# Altium PCB Motherboard_PCB_Trimmed.PcbDoc (part 4 of 5) (continued)
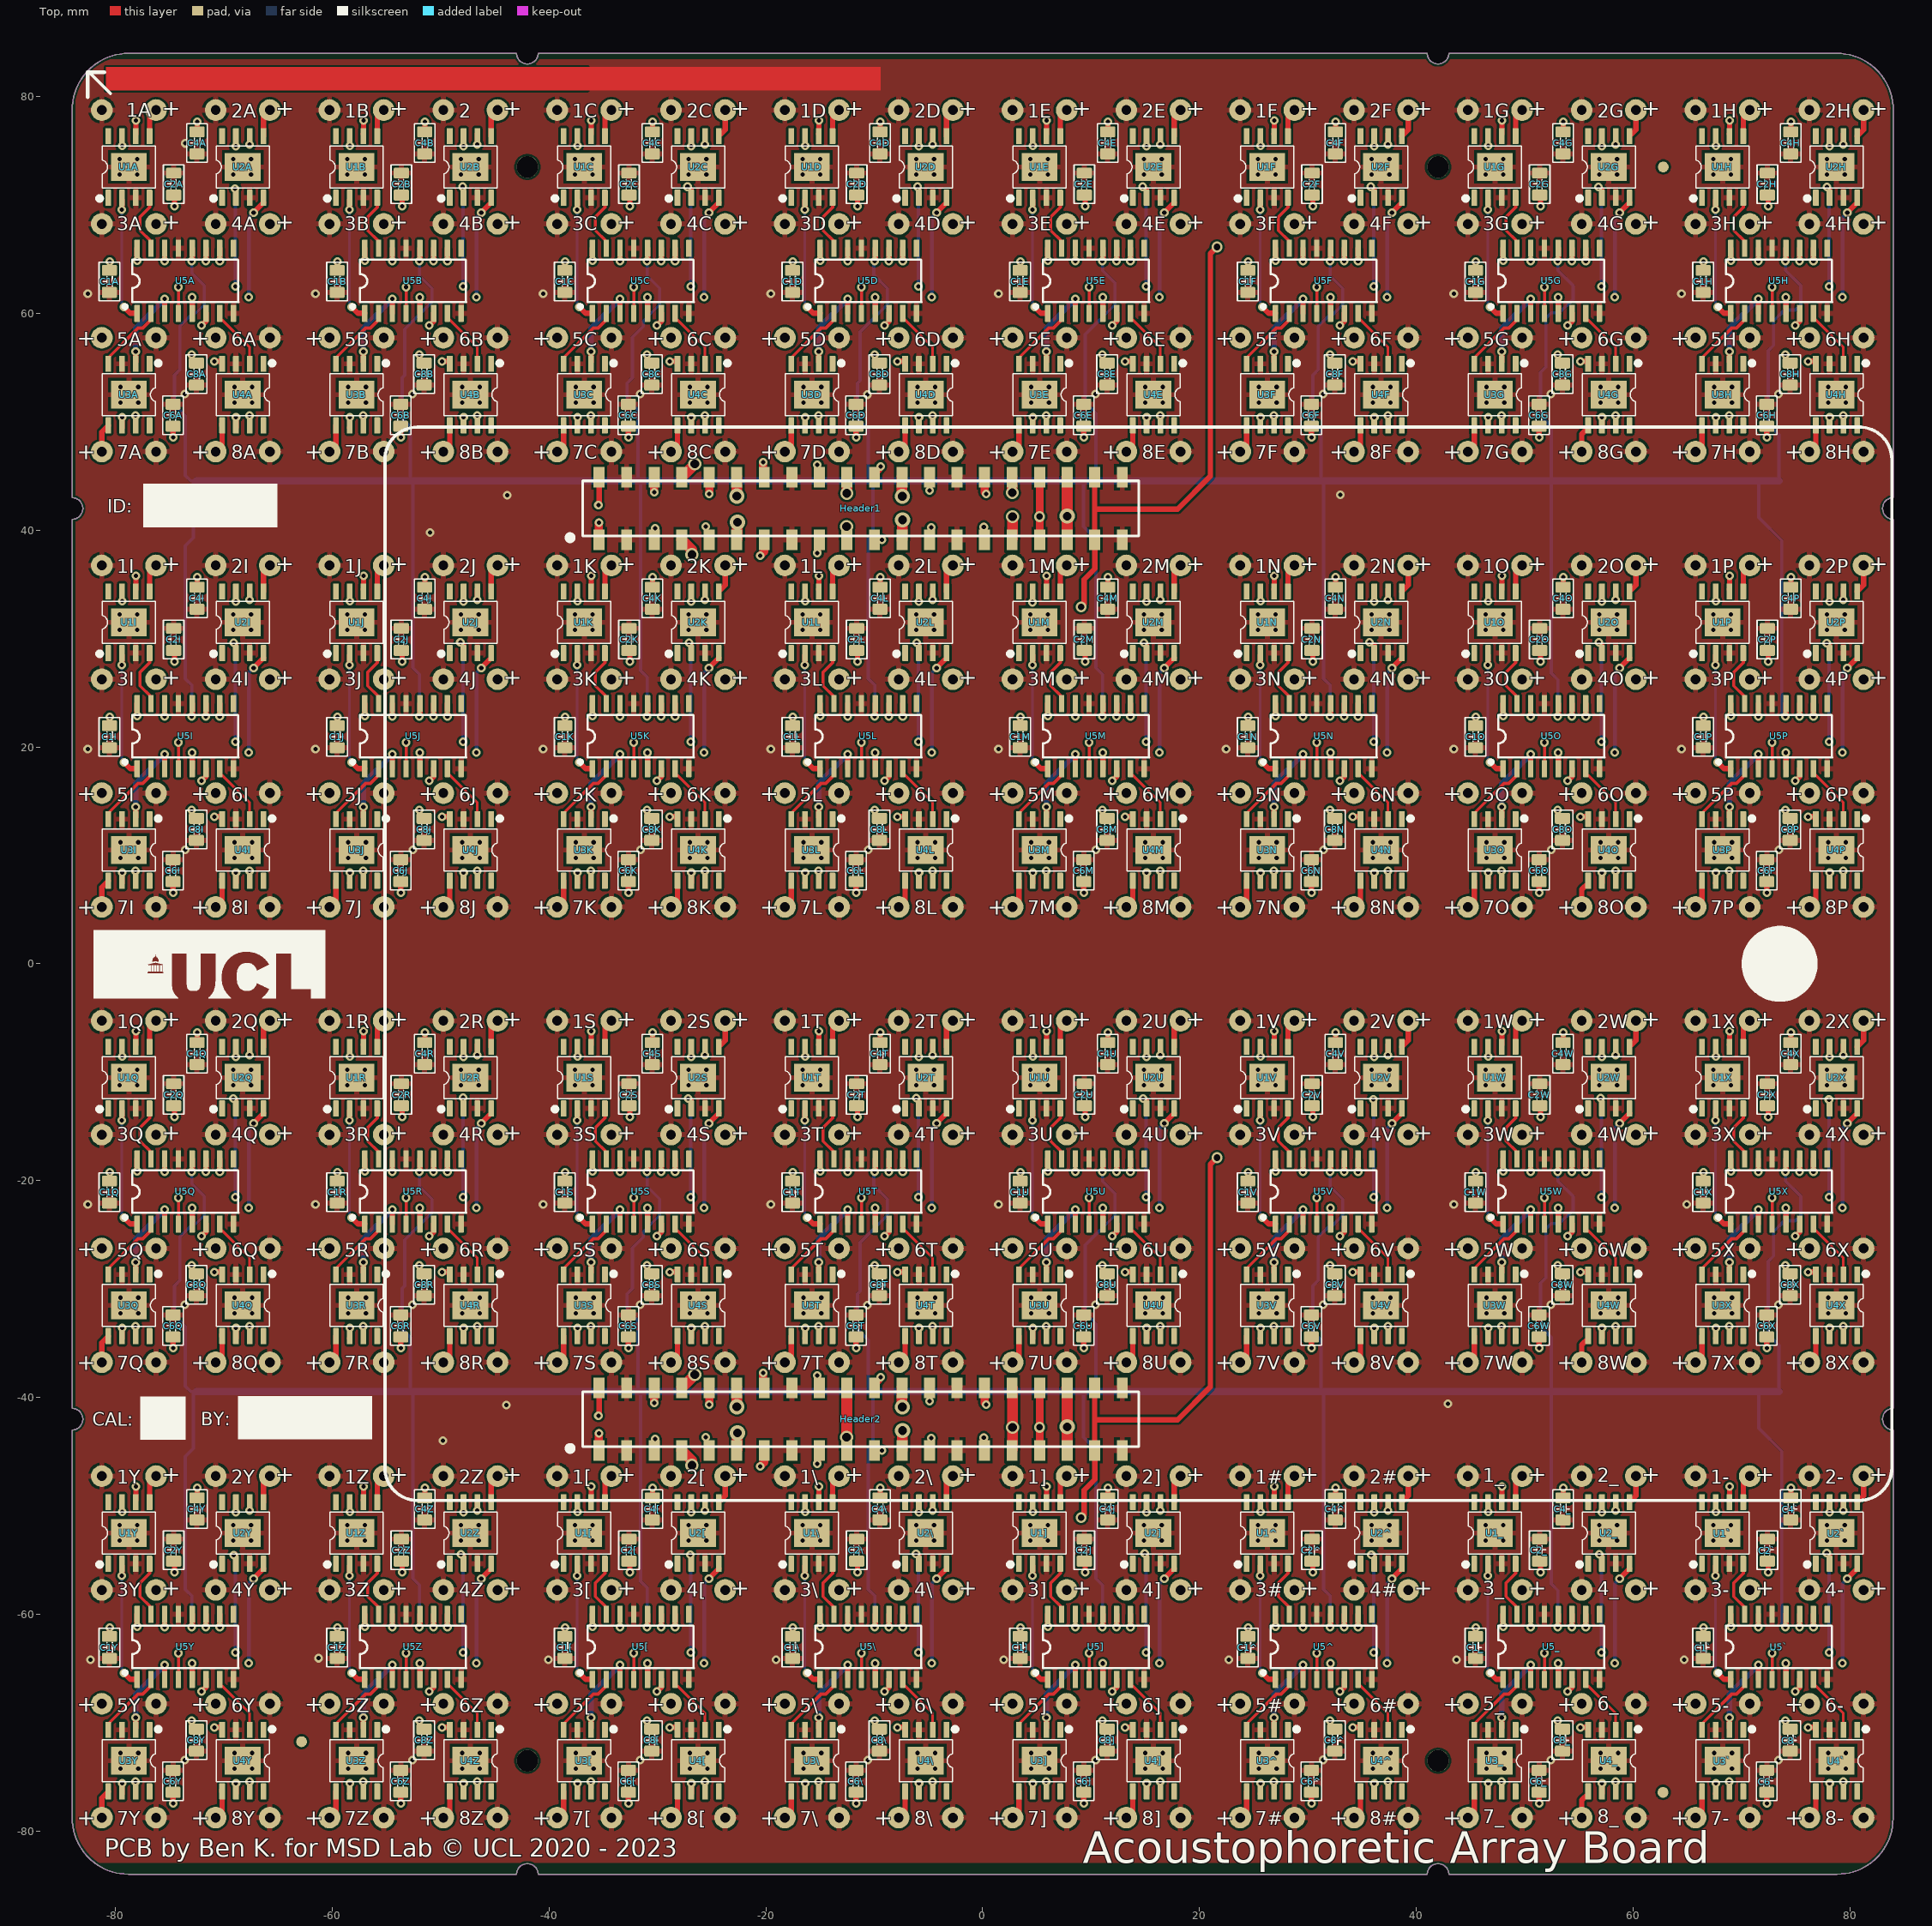
[diagram p0: Top view]
## Nets (pads, with @x,y where several pads share a name; then routed paths per layer and width w, separated by ;. In a path a pad name is that pad's centre, name@x,y a point inside that pad or via, vN(x,y) a via of type N, cw(c..) or ccw(c..) an arc to the next point about the centre after c; other vN are vias at no path point) (continued)
OUTA_3X: 5X.+ U3X.7 | length 9.4
  Top w0.3: v1(68.859,-33.438) 68.885,-33.464 U3X.7@68.885,-34.345
  Internal w0.3: 5X.+@65.75,-26.25 68.308,-28.808 68.308,-32.887 v1(68.859,-33.438)
OUTA_3Y: 5Y.+ U3Y.7 | length 9.4
  Top w0.3: v1(-78.141,-75.438) -78.115,-75.464 U3Y.7@-78.115,-76.345
  Internal w0.3: 5Y.+@-81.25,-68.25 -78.692,-70.808 -78.692,-74.887 v1(-78.141,-75.438)
OUTA_3Z: 5Z.+ U3Z.7 | length 9.4
  Top w0.3: v1(-57.141,-75.438) -57.115,-75.464 U3Z.7@-57.115,-76.345
  Internal w0.3: 5Z.+@-60.25,-68.25 -57.692,-70.808 -57.692,-74.887 v1(-57.141,-75.438)
OUTA_4[: 6[.+ U4[.7 | length 9.4
  Top w0.3: v1(-25.625,-75.438) -25.625,-76.335 U4[.7@-25.615,-76.345
  Internal w0.3: 6[.+@-28.75,-68.25 -26.26,-70.74 -26.26,-74.803 v1(-25.625,-75.438)
OUTA_4\: 6\.+ U4\.7 | length 9.4
  Top w0.3: v1(-4.625,-75.438) -4.625,-76.335 U4\.7@-4.615,-76.345
  Internal w0.3: 6\.+@-7.75,-68.25 -5.26,-70.74 -5.26,-74.803 v1(-4.625,-75.438)
OUTA_4]: 6].+ U4].7 | length 9.4
  Top w0.3: v1(16.375,-75.438) 16.375,-76.335 U4].7@16.385,-76.345
  Internal w0.3: 6].+@13.25,-68.25 15.74,-70.74 15.74,-74.803 v1(16.375,-75.438)
OUTA_4^: 6#.+ U4^.7 | length 9.4
  Top w0.3: v1(37.375,-75.438) 37.375,-76.335 U4^.7@37.385,-76.345
  Internal w0.3: 6#.+@34.25,-68.25 36.74,-70.74 36.74,-74.803 v1(37.375,-75.438)
OUTA_4_: 6_.+ U4_.7 | length 9.4
  Top w0.3: v1(58.375,-75.438) 58.375,-76.335 U4_.7@58.385,-76.345
  Internal w0.3: 6_.+@55.25,-68.25 57.74,-70.74 57.74,-74.803 v1(58.375,-75.438)
OUTA_4`: 6-.+ U4`.7 | length 9.4
  Top w0.3: v1(79.375,-75.438) 79.375,-76.335 U4`.7@79.385,-76.345
  Internal w0.3: 6-.+@76.25,-68.25 78.74,-70.74 78.74,-74.803 v1(79.375,-75.438)
OUTA_4A: 6A.+ U4A.7 | length 9.4
  Top w0.3: v1(-67.625,50.562) -67.625,49.665 U4A.7@-67.615,49.655
  Internal w0.3: 6A.+@-70.75,57.75 -68.26,55.26 -68.26,51.197 v1(-67.625,50.562)
OUTA_4B: 6B.+ U4B.7 | length 9.4
  Top w0.3: v1(-46.625,50.562) -46.625,49.665 U4B.7@-46.615,49.655
  Internal w0.3: 6B.+@-49.75,57.75 -47.26,55.26 -47.26,51.197 v1(-46.625,50.562)
OUTA_4C: 6C.+ U4C.7 | length 9.4
  Top w0.3: v1(-25.625,50.562) -25.625,49.665 U4C.7@-25.615,49.655
  Internal w0.3: 6C.+@-28.75,57.75 -26.26,55.26 -26.26,51.197 v1(-25.625,50.562)
OUTA_4D: 6D.+ U4D.7 | length 9.4
  Top w0.3: v1(-4.625,50.562) -4.625,49.665 U4D.7@-4.615,49.655
  Internal w0.3: 6D.+@-7.75,57.75 -5.26,55.26 -5.26,51.197 v1(-4.625,50.562)
OUTA_4E: 6E.+ U4E.7 | length 9.4
  Top w0.3: v1(16.375,50.562) 16.375,49.665 U4E.7@16.385,49.655
  Internal w0.3: 6E.+@13.25,57.75 15.74,55.26 15.74,51.197 v1(16.375,50.562)
OUTA_4F: 6F.+ U4F.7 | length 9.4
  Top w0.3: v1(37.375,50.562) 37.375,49.665 U4F.7@37.385,49.655
  Internal w0.3: 6F.+@34.25,57.75 36.74,55.26 36.74,51.197 v1(37.375,50.562)
OUTA_4G: 6G.+ U4G.7 | length 9.4
  Top w0.3: v1(58.375,50.562) 58.375,49.665 U4G.7@58.385,49.655
  Internal w0.3: 6G.+@55.25,57.75 57.74,55.26 57.74,51.197 v1(58.375,50.562)
OUTA_4H: 6H.+ U4H.7 | length 9.4
  Top w0.3: v1(79.375,50.562) 79.375,49.665 U4H.7@79.385,49.655
  Internal w0.3: 6H.+@76.25,57.75 78.74,55.26 78.74,51.197 v1(79.375,50.562)
OUTA_4I: 6I.+ U4I.7 | length 9.4
  Top w0.3: v1(-67.625,8.562) -67.625,7.665 U4I.7@-67.615,7.655
  Internal w0.3: 6I.+@-70.75,15.75 -68.26,13.26 -68.26,9.197 v1(-67.625,8.562)
OUTA_4J: 6J.+ U4J.7 | length 9.4
  Top w0.3: v1(-46.625,8.562) -46.625,7.665 U4J.7@-46.615,7.655
  Internal w0.3: 6J.+@-49.75,15.75 -47.26,13.26 -47.26,9.197 v1(-46.625,8.562)
OUTA_4K: 6K.+ U4K.7 | length 9.4
  Top w0.3: v1(-25.625,8.562) -25.625,7.665 U4K.7@-25.615,7.655
  Internal w0.3: 6K.+@-28.75,15.75 -26.26,13.26 -26.26,9.197 v1(-25.625,8.562)
OUTA_4L: 6L.+ U4L.7 | length 9.4
  Top w0.3: v1(-4.625,8.562) -4.625,7.665 U4L.7@-4.615,7.655
  Internal w0.3: 6L.+@-7.75,15.75 -5.26,13.26 -5.26,9.197 v1(-4.625,8.562)
OUTA_4M: 6M.+ U4M.7 | length 9.4
  Top w0.3: v1(16.375,8.562) 16.375,7.665 U4M.7@16.385,7.655
  Internal w0.3: 6M.+@13.25,15.75 15.74,13.26 15.74,9.197 v1(16.375,8.562)
OUTA_4N: 6N.+ U4N.7 | length 9.4
  Top w0.3: v1(37.375,8.562) 37.375,7.665 U4N.7@37.385,7.655
  Internal w0.3: 6N.+@34.25,15.75 36.74,13.26 36.74,9.197 v1(37.375,8.562)
OUTA_4O: 6O.+ U4O.7 | length 9.4
  Top w0.3: v1(58.375,8.562) 58.375,7.665 U4O.7@58.385,7.655
  Internal w0.3: 6O.+@55.25,15.75 57.74,13.26 57.74,9.197 v1(58.375,8.562)
OUTA_4P: 6P.+ U4P.7 | length 9.4
  Top w0.3: v1(79.375,8.562) 79.375,7.665 U4P.7@79.385,7.655
  Internal w0.3: 6P.+@76.25,15.75 78.74,13.26 78.74,9.197 v1(79.375,8.562)
OUTA_4Q: 6Q.+ U4Q.7 | length 9.4
  Top w0.3: v1(-67.625,-33.438) -67.625,-34.335 U4Q.7@-67.615,-34.345
  Internal w0.3: 6Q.+@-70.75,-26.25 -68.26,-28.74 -68.26,-32.803 v1(-67.625,-33.438)
OUTA_4R: 6R.+ U4R.7 | length 9.4
  Top w0.3: v1(-46.625,-33.438) -46.625,-34.335 U4R.7@-46.615,-34.345
  Internal w0.3: 6R.+@-49.75,-26.25 -47.26,-28.74 -47.26,-32.803 v1(-46.625,-33.438)
OUTA_4S: 6S.+ U4S.7 | length 9.4
  Top w0.3: v1(-25.625,-33.438) -25.625,-34.335 U4S.7@-25.615,-34.345
  Internal w0.3: 6S.+@-28.75,-26.25 -26.26,-28.74 -26.26,-32.803 v1(-25.625,-33.438)
OUTA_4T: 6T.+ U4T.7 | length 9.4
  Top w0.3: v1(-4.625,-33.438) -4.625,-34.335 U4T.7@-4.615,-34.345
  Internal w0.3: 6T.+@-7.75,-26.25 -5.26,-28.74 -5.26,-32.803 v1(-4.625,-33.438)
OUTA_4U: 6U.+ U4U.7 | length 9.4
  Top w0.3: v1(16.375,-33.438) 16.375,-34.335 U4U.7@16.385,-34.345
  Internal w0.3: 6U.+@13.25,-26.25 15.74,-28.74 15.74,-32.803 v1(16.375,-33.438)
OUTA_4V: 6V.+ U4V.7 | length 9.4
  Top w0.3: v1(37.375,-33.438) 37.375,-34.335 U4V.7@37.385,-34.345
  Internal w0.3: 6V.+@34.25,-26.25 36.74,-28.74 36.74,-32.803 v1(37.375,-33.438)
OUTA_4W: 6W.+ U4W.7 | length 9.4
  Top w0.3: v1(58.375,-33.438) 58.375,-34.335 U4W.7@58.385,-34.345
  Internal w0.3: 6W.+@55.25,-26.25 57.74,-28.74 57.74,-32.803 v1(58.375,-33.438)
OUTA_4X: 6X.+ U4X.7 | length 9.4
  Top w0.3: v1(79.375,-33.438) 79.375,-34.335 U4X.7@79.385,-34.345
  Internal w0.3: 6X.+@76.25,-26.25 78.74,-28.74 78.74,-32.803 v1(79.375,-33.438)
OUTA_4Y: 6Y.+ U4Y.7 | length 9.4
  Top w0.3: v1(-67.625,-75.438) -67.625,-76.335 U4Y.7@-67.615,-76.345
  Internal w0.3: 6Y.+@-70.75,-68.25 -68.26,-70.74 -68.26,-74.803 v1(-67.625,-75.438)
OUTA_4Z: 6Z.+ U4Z.7 | length 9.4
  Top w0.3: v1(-46.625,-75.438) -46.625,-76.335 U4Z.7@-46.615,-76.345
  Internal w0.3: 6Z.+@-49.75,-68.25 -47.26,-70.74 -47.26,-74.803 v1(-46.625,-75.438)
OUTB_1[: 1[.+ U1[.5 | length 2.7
  Top w0.5: U1[.5@-34.845,-49.655 -34.845,-49.455 -34.845,-47.845 1[.+@-34.25,-47.25
OUTB_1\: 1\.+ U1\.5 | length 2.7
  Top w0.5: U1\.5@-13.845,-49.655 -13.845,-49.455 -13.845,-47.845 1\.+@-13.25,-47.25
OUTB_1]: 1].+ U1].5 | length 2.7
  Top w0.5: U1].5@7.155,-49.655 7.155,-49.455 7.155,-47.845 1].+@7.75,-47.25
OUTB_1^: 1#.+ U1^.5 | length 2.7
  Top w0.5: U1^.5@28.155,-49.655 28.155,-49.455 28.155,-47.845 1#.+@28.75,-47.25
OUTB_1_: 1_.+ U1_.5 | length 2.7
  Top w0.5: U1_.5@49.155,-49.655 49.155,-49.455 49.155,-47.845 1_.+@49.75,-47.25
OUTB_1`: 1-.+ U1`.5 | length 2.7
  Top w0.5: U1`.5@70.155,-49.655 70.155,-49.455 70.155,-47.845 1-.+@70.75,-47.25
OUTB_1A: 1A.+ U1A.5 | length 2.7
  Top w0.5: U1A.5@-76.845,76.345 -76.845,76.545 -76.845,78.155 1A.+@-76.25,78.75
OUTB_1B: 1B.+ U1B.5 | length 2.7
  Top w0.5: U1B.5@-55.845,76.345 -55.845,76.545 -55.845,78.155 1B.+@-55.25,78.75
OUTB_1C: 1C.+ U1C.5 | length 2.7
  Top w0.5: U1C.5@-34.845,76.345 -34.845,76.545 -34.845,78.155 1C.+@-34.25,78.75
OUTB_1D: 1D.+ U1D.5 | length 2.7
  Top w0.5: U1D.5@-13.845,76.345 -13.845,76.545 -13.845,78.155 1D.+@-13.25,78.75
OUTB_1E: 1E.+ U1E.5 | length 2.7
  Top w0.5: U1E.5@7.155,76.345 7.155,76.545 7.155,78.155 1E.+@7.75,78.75
OUTB_1F: 1F.+ U1F.5 | length 2.7
  Top w0.5: U1F.5@28.155,76.345 28.155,76.545 28.155,78.155 1F.+@28.75,78.75
OUTB_1G: 1G.+ U1G.5 | length 2.7
  Top w0.5: U1G.5@49.155,76.345 49.155,76.545 49.155,78.155 1G.+@49.75,78.75
OUTB_1H: 1H.+ U1H.5 | length 2.7
  Top w0.5: U1H.5@70.155,76.345 70.155,76.545 70.155,78.155 1H.+@70.75,78.75
OUTB_1I: 1I.+ U1I.5 | length 2.7
  Top w0.5: U1I.5@-76.845,34.345 -76.845,34.545 -76.845,36.155 1I.+@-76.25,36.75
OUTB_1J: 1J.+ U1J.5 | length 2.7
  Top w0.5: U1J.5@-55.845,34.345 -55.845,34.545 -55.845,36.155 1J.+@-55.25,36.75
OUTB_1K: 1K.+ U1K.5 | length 2.7
  Top w0.5: U1K.5@-34.845,34.345 -34.845,34.545 -34.845,36.155 1K.+@-34.25,36.75
OUTB_1L: 1L.+ U1L.5 | length 2.7
  Top w0.5: U1L.5@-13.845,34.345 -13.845,34.545 -13.845,36.155 1L.+@-13.25,36.75
OUTB_1M: 1M.+ U1M.5 | length 2.7
  Top w0.5: U1M.5@7.155,34.345 7.155,34.545 7.155,36.155 1M.+@7.75,36.75
OUTB_1N: 1N.+ U1N.5 | length 2.7
  Top w0.5: U1N.5@28.155,34.345 28.155,34.545 28.155,36.155 1N.+@28.75,36.75
OUTB_1O: 1O.+ U1O.5 | length 2.7
  Top w0.5: U1O.5@49.155,34.345 49.155,34.545 49.155,36.155 1O.+@49.75,36.75
OUTB_1P: 1P.+ U1P.5 | length 2.7
  Top w0.5: U1P.5@70.155,34.345 70.155,34.545 70.155,36.155 1P.+@70.75,36.75
OUTB_1Q: 1Q.+ U1Q.5 | length 2.7
  Top w0.5: U1Q.5@-76.845,-7.655 -76.845,-7.455 -76.845,-5.845 1Q.+@-76.25,-5.25
OUTB_1R: 1R.+ U1R.5 | length 2.7
  Top w0.5: U1R.5@-55.845,-7.655 -55.845,-7.455 -55.845,-5.845 1R.+@-55.25,-5.25
OUTB_1S: 1S.+ U1S.5 | length 2.7
  Top w0.5: U1S.5@-34.845,-7.655 -34.845,-7.455 -34.845,-5.845 1S.+@-34.25,-5.25
OUTB_1T: 1T.+ U1T.5 | length 2.7
  Top w0.5: U1T.5@-13.845,-7.655 -13.845,-7.455 -13.845,-5.845 1T.+@-13.25,-5.25
OUTB_1U: 1U.+ U1U.5 | length 2.7
  Top w0.5: U1U.5@7.155,-7.655 7.155,-7.455 7.155,-5.845 1U.+@7.75,-5.25
OUTB_1V: 1V.+ U1V.5 | length 2.7
  Top w0.5: U1V.5@28.155,-7.655 28.155,-7.455 28.155,-5.845 1V.+@28.75,-5.25
OUTB_1W: 1W.+ U1W.5 | length 2.7
  Top w0.5: U1W.5@49.155,-7.655 49.155,-7.455 49.155,-5.845 1W.+@49.75,-5.25
OUTB_1X: 1X.+ U1X.5 | length 2.7
  Top w0.5: U1X.5@70.155,-7.655 70.155,-7.455 70.155,-5.845 1X.+@70.75,-5.25
OUTB_1Y: 1Y.+ U1Y.5 | length 2.7
  Top w0.5: U1Y.5@-76.845,-49.655 -76.845,-49.455 -76.845,-47.845 1Y.+@-76.25,-47.25
OUTB_1Z: 1Z.+ U1Z.5 | length 2.7
  Top w0.5: U1Z.5@-55.845,-49.655 -55.845,-49.455 -55.845,-47.845 1Z.+@-55.25,-47.25
OUTB_2[: 2[.+ U2[.5 | length 2.7
  Top w0.5: U2[.5@-24.345,-49.655 -23.75,-49.06 2[.+@-23.75,-47.25
OUTB_2\: 2\.+ U2\.5 | length 2.7
  Top w0.5: U2\.5@-3.345,-49.655 -3.345,-47.845 2\.+@-2.75,-47.25
OUTB_2]: 2].+ U2].5 | length 2.7
  Top w0.5: U2].5@17.655,-49.655 17.655,-47.845 2].+@18.25,-47.25
OUTB_2^: 2#.+ U2^.5 | length 2.7
  Top w0.5: U2^.5@38.655,-49.655 39.25,-49.06 2#.+@39.25,-47.25
OUTB_2_: 2_.+ U2_.5 | length 2.7
  Top w0.5: U2_.5@59.655,-49.655 60.25,-49.06 2_.+@60.25,-47.25
OUTB_2`: 2-.+ U2`.5 | length 2.7
  Top w0.5: U2`.5@80.655,-49.655 81.25,-49.06 2-.+@81.25,-47.25
OUTB_2A: 2A.+ U2A.5 | length 2.7
  Top w0.5: U2A.5@-66.345,76.345 -66.345,78.155 2A.+@-65.75,78.75
OUTB_2B: 2.+ U2B.5 | length 2.7
  Top w0.5: U2B.5@-45.345,76.345 -45.345,78.155 2.+@-44.75,78.75
OUTB_2C: 2C.+ U2C.5 | length 2.7
  Top w0.5: U2C.5@-24.345,76.345 -23.75,76.94 2C.+@-23.75,78.75
OUTB_2D: 2D.+ U2D.5 | length 2.7
  Top w0.5: U2D.5@-3.345,76.345 -3.345,78.155 2D.+@-2.75,78.75
OUTB_2E: 2E.+ U2E.5 | length 2.7
  Top w0.5: U2E.5@17.655,76.345 17.655,78.155 2E.+@18.25,78.75
OUTB_2F: 2F.+ U2F.5 | length 2.7
  Top w0.5: U2F.5@38.655,76.345 39.25,76.94 2F.+@39.25,78.75
OUTB_2G: 2G.+ U2G.5 | length 2.7
  Top w0.5: U2G.5@59.655,76.345 60.25,76.94 2G.+@60.25,78.75
OUTB_2H: 2H.+ U2H.5 | length 2.7
  Top w0.5: U2H.5@80.655,76.345 81.25,76.94 2H.+@81.25,78.75
OUTB_2I: 2I.+ U2I.5 | length 2.7
  Top w0.5: U2I.5@-66.345,34.345 -66.345,36.155 2I.+@-65.75,36.75
OUTB_2J: 2J.+ U2J.5 | length 2.7
  Top w0.5: U2J.5@-45.345,34.345 -45.345,36.155 2J.+@-44.75,36.75
OUTB_2K: 2K.+ U2K.5 | length 2.7
  Top w0.5: U2K.5@-24.345,34.345 -23.75,34.94 2K.+@-23.75,36.75
OUTB_2L: 2L.+ U2L.5 | length 2.7
  Top w0.5: U2L.5@-3.345,34.345 -3.345,36.155 2L.+@-2.75,36.75
OUTB_2M: 2M.+ U2M.5 | length 2.7
  Top w0.5: U2M.5@17.655,34.345 17.655,36.155 2M.+@18.25,36.75
OUTB_2N: 2N.+ U2N.5 | length 2.7
  Top w0.5: U2N.5@38.655,34.345 39.25,34.94 2N.+@39.25,36.75
OUTB_2O: 2O.+ U2O.5 | length 2.7
  Top w0.5: U2O.5@59.655,34.345 60.25,34.94 2O.+@60.25,36.75
OUTB_2P: 2P.+ U2P.5 | length 2.7
  Top w0.5: U2P.5@80.655,34.345 81.25,34.94 2P.+@81.25,36.75
OUTB_2Q: 2Q.+ U2Q.5 | length 2.7
  Top w0.5: U2Q.5@-66.345,-7.655 -66.345,-5.845 2Q.+@-65.75,-5.25
OUTB_2R: 2R.+ U2R.5 | length 2.7
  Top w0.5: U2R.5@-45.345,-7.655 -45.345,-5.845 2R.+@-44.75,-5.25
OUTB_2S: 2S.+ U2S.5 | length 2.7
  Top w0.5: U2S.5@-24.345,-7.655 -23.75,-7.06 2S.+@-23.75,-5.25
OUTB_2T: 2T.+ U2T.5 | length 2.7
  Top w0.5: U2T.5@-3.345,-7.655 -3.345,-5.845 2T.+@-2.75,-5.25
OUTB_2U: 2U.+ U2U.5 | length 2.7
  Top w0.5: U2U.5@17.655,-7.655 17.655,-5.845 2U.+@18.25,-5.25
OUTB_2V: 2V.+ U2V.5 | length 2.7
  Top w0.5: U2V.5@38.655,-7.655 39.25,-7.06 2V.+@39.25,-5.25
OUTB_2W: 2W.+ U2W.5 | length 2.7
  Top w0.5: U2W.5@59.655,-7.655 60.25,-7.06 2W.+@60.25,-5.25
OUTB_2X: 2X.+ U2X.5 | length 2.7
  Top w0.5: U2X.5@80.655,-7.655 81.25,-7.06 2X.+@81.25,-5.25
OUTB_2Y: 2Y.+ U2Y.5 | length 2.7
  Top w0.5: U2Y.5@-66.345,-49.655 -66.345,-47.845 2Y.+@-65.75,-47.25
OUTB_2Z: 2Z.+ U2Z.5 | length 2.7
  Top w0.5: U2Z.5@-45.345,-49.655 -45.345,-47.845 2Z.+@-44.75,-47.25
OUTB_3[: 7[.+ U3[.5 | length 2.7
  Top w0.5: 7[.+@-39.25,-78.75 -38.655,-78.155 U3[.5@-38.655,-76.345
OUTB_3\: 7\.+ U3\.5 | length 2.7
  Top w0.5: 7\.+@-18.25,-78.75 -17.655,-78.155 U3\.5@-17.655,-76.345
OUTB_3]: 7].+ U3].5 | length 2.7
  Top w0.5: 7].+@2.75,-78.75 3.345,-78.155 U3].5@3.345,-76.345
OUTB_3^: 7#.+ U3^.5 | length 2.7
  Top w0.5: 7#.+@23.75,-78.75 24.345,-78.155 U3^.5@24.345,-76.345
OUTB_3_: 7_.+ U3_.5 | length 2.7
  Top w0.5: 7_.+@44.75,-78.75 45.345,-78.155 U3_.5@45.345,-76.345
OUTB_3`: 7-.+ U3`.5 | length 2.7
  Top w0.5: 7-.+@65.75,-78.75 66.345,-78.155 U3`.5@66.345,-76.345
OUTB_3A: 7A.+ U3A.5 | length 2.7
  Top w0.5: 7A.+@-81.25,47.25 -81.25,49.06 U3A.5@-80.655,49.655
OUTB_3B: 7B.+ U3B.5 | length 2.7
  Top w0.5: 7B.+@-60.25,47.25 -59.655,47.845 U3B.5@-59.655,49.655
OUTB_3C: 7C.+ U3C.5 | length 2.7
  Top w0.5: 7C.+@-39.25,47.25 -38.655,47.845 U3C.5@-38.655,49.655
OUTB_3D: 7D.+ U3D.5 | length 2.7
  Top w0.5: 7D.+@-18.25,47.25 -17.655,47.845 U3D.5@-17.655,49.655
OUTB_3E: 7E.+ U3E.5 | length 2.7
  Top w0.5: 7E.+@2.75,47.25 3.345,47.845 U3E.5@3.345,49.655
OUTB_3F: 7F.+ U3F.5 | length 2.7
  Top w0.5: 7F.+@23.75,47.25 24.345,47.845 U3F.5@24.345,49.655
OUTB_3G: 7G.+ U3G.5 | length 2.7
  Top w0.5: 7G.+@44.75,47.25 45.345,47.845 U3G.5@45.345,49.655
OUTB_3H: 7H.+ U3H.5 | length 2.7
  Top w0.5: 7H.+@65.75,47.25 66.345,47.845 U3H.5@66.345,49.655
OUTB_3I: 7I.+ U3I.5 | length 2.7
  Top w0.5: 7I.+@-81.25,5.25 -81.25,7.06 U3I.5@-80.655,7.655
OUTB_3J: 7J.+ U3J.5 | length 2.7
  Top w0.5: 7J.+@-60.25,5.25 -59.655,5.845 U3J.5@-59.655,7.655
OUTB_3K: 7K.+ U3K.5 | length 2.7
  Top w0.5: 7K.+@-39.25,5.25 -38.655,5.845 U3K.5@-38.655,7.655
OUTB_3L: 7L.+ U3L.5 | length 2.7
  Top w0.5: 7L.+@-18.25,5.25 -17.655,5.845 U3L.5@-17.655,7.655
OUTB_3M: 7M.+ U3M.5 | length 2.7
  Top w0.5: 7M.+@2.75,5.25 3.345,5.845 U3M.5@3.345,7.655
OUTB_3N: 7N.+ U3N.5 | length 2.7
  Top w0.5: 7N.+@23.75,5.25 24.345,5.845 U3N.5@24.345,7.655
OUTB_3O: 7O.+ U3O.5 | length 2.7
  Top w0.5: 7O.+@44.75,5.25 45.345,5.845 U3O.5@45.345,7.655
OUTB_3P: 7P.+ U3P.5 | length 2.7
  Top w0.5: 7P.+@65.75,5.25 66.345,5.845 U3P.5@66.345,7.655
OUTB_3Q: 7Q.+ U3Q.5 | length 2.7
  Top w0.5: 7Q.+@-81.25,-36.75 -81.25,-34.94 U3Q.5@-80.655,-34.345
OUTB_3R: 7R.+ U3R.5 | length 2.7
  Top w0.5: 7R.+@-60.25,-36.75 -59.655,-36.155 U3R.5@-59.655,-34.345
OUTB_3S: 7S.+ U3S.5 | length 2.7
  Top w0.5: 7S.+@-39.25,-36.75 -38.655,-36.155 U3S.5@-38.655,-34.345
OUTB_3T: 7T.+ U3T.5 | length 2.7
  Top w0.5: 7T.+@-18.25,-36.75 -17.655,-36.155 U3T.5@-17.655,-34.345
OUTB_3U: 7U.+ U3U.5 | length 2.7
  Top w0.5: 7U.+@2.75,-36.75 3.345,-36.155 U3U.5@3.345,-34.345
OUTB_3V: 7V.+ U3V.5 | length 2.7
  Top w0.5: 7V.+@23.75,-36.75 24.345,-36.155 U3V.5@24.345,-34.345
OUTB_3W: 7W.+ U3W.5 | length 2.7
  Top w0.5: 7W.+@44.75,-36.75 45.345,-36.155 U3W.5@45.345,-34.345
OUTB_3X: 7X.+ U3X.5 | length 2.7
  Top w0.5: 7X.+@65.75,-36.75 66.345,-36.155 U3X.5@66.345,-34.345
OUTB_3Y: 7Y.+ U3Y.5 | length 2.7
  Top w0.5: 7Y.+@-81.25,-78.75 -81.25,-76.94 U3Y.5@-80.655,-76.345
OUTB_3Z: 7Z.+ U3Z.5 | length 2.7
  Top w0.5: 7Z.+@-60.25,-78.75 -59.655,-78.155 U3Z.5@-59.655,-76.345
OUTB_4[: 8[.+ U4[.5 | length 2.7
  Top w0.5: 8[.+@-28.75,-78.75 -28.155,-78.155 U4[.5@-28.155,-76.345
OUTB_4\: 8\.+ U4\.5 | length 2.7
  Top w0.5: 8\.+@-7.75,-78.75 -7.155,-78.155 U4\.5@-7.155,-76.345
OUTB_4]: 8].+ U4].5 | length 2.7
  Top w0.5: 8].+@13.25,-78.75 13.845,-78.155 U4].5@13.845,-76.345
OUTB_4^: 8#.+ U4^.5 | length 2.7
  Top w0.5: 8#.+@34.25,-78.75 34.845,-78.155 U4^.5@34.845,-76.345
OUTB_4_: 8_.+ U4_.5 | length 2.8
  Top w0.5: 8_.+@55.25,-78.75 55.25,-77.14 55.85,-76.54 U4_.5@55.85,-76.175
OUTB_4`: 8-.+ U4`.5 | length 3
  Top w0.5: 8-.+@76.25,-78.75 76.845,-78.155 U4`.5@76.845,-76.345 ; U4`.5@76.85,-76.54 U4`.5@76.85,-76.175
OUTB_4A: 8A.+ U4A.5 | length 3.2
  Top w0.5: 8A.+@-70.75,47.25 -70.155,47.845 U4A.5@-70.155,49.655 ; U4A.5@-70.175,49.655 -70.175,49.8 -70.15,49.825 U4A.5@-70.15,49.46
OUTB_4B: 8B.+ U4B.5 | length 3.2
  Top w0.5: 8B.+@-49.75,47.25 -49.155,47.845 U4B.5@-49.155,49.655 ; U4B.5@-49.175,49.655 -49.175,49.8 -49.15,49.825 U4B.5@-49.15,49.46
OUTB_4C: 8C.+ U4C.5 | length 2.7
  Top w0.5: 8C.+@-28.75,47.25 -28.155,47.845 U4C.5@-28.155,49.655
OUTB_4D: 8D.+ U4D.5 | length 2.7
  Top w0.5: 8D.+@-7.75,47.25 -7.155,47.845 U4D.5@-7.155,49.655
OUTB_4E: 8E.+ U4E.5 | length 2.7
  Top w0.5: 8E.+@13.25,47.25 13.845,47.845 U4E.5@13.845,49.655
OUTB_4F: 8F.+ U4F.5 | length 2.7
  Top w0.5: 8F.+@34.25,47.25 34.845,47.845 U4F.5@34.845,49.655
OUTB_4G: 8G.+ U4G.5 | length 2.8
  Top w0.5: 8G.+@55.25,47.25 55.25,48.86 55.85,49.46 U4G.5@55.85,49.825
OUTB_4H: 8H.+ U4H.5 | length 3
  Top w0.5: 8H.+@76.25,47.25 76.845,47.845 U4H.5@76.845,49.655 ; U4H.5@76.85,49.46 U4H.5@76.85,49.825
OUTB_4I: 8I.+ U4I.5 | length 3.2
  Top w0.5: 8I.+@-70.75,5.25 -70.155,5.845 U4I.5@-70.155,7.655 ; U4I.5@-70.175,7.655 -70.175,7.8 -70.15,7.825 U4I.5@-70.15,7.46
OUTB_4J: 8J.+ U4J.5 | length 3.2
  Top w0.5: 8J.+@-49.75,5.25 -49.155,5.845 U4J.5@-49.155,7.655 ; U4J.5@-49.175,7.655 -49.175,7.8 -49.15,7.825 U4J.5@-49.15,7.46
OUTB_4K: 8K.+ U4K.5 | length 2.7
  Top w0.5: 8K.+@-28.75,5.25 -28.155,5.845 U4K.5@-28.155,7.655
OUTB_4L: 8L.+ U4L.5 | length 2.7
  Top w0.5: 8L.+@-7.75,5.25 -7.155,5.845 U4L.5@-7.155,7.655
OUTB_4M: 8M.+ U4M.5 | length 2.7
  Top w0.5: 8M.+@13.25,5.25 13.845,5.845 U4M.5@13.845,7.655
OUTB_4N: 8N.+ U4N.5 | length 2.7
  Top w0.5: 8N.+@34.25,5.25 34.845,5.845 U4N.5@34.845,7.655
OUTB_4O: 8O.+ U4O.5 | length 2.8
  Top w0.5: 8O.+@55.25,5.25 55.25,6.86 55.85,7.46 U4O.5@55.85,7.825
OUTB_4P: 8P.+ U4P.5 | length 3
  Top w0.5: 8P.+@76.25,5.25 76.845,5.845 U4P.5@76.845,7.655 ; U4P.5@76.85,7.46 U4P.5@76.85,7.825
OUTB_4Q: 8Q.+ U4Q.5 | length 3.2
  Top w0.5: 8Q.+@-70.75,-36.75 -70.155,-36.155 U4Q.5@-70.155,-34.345 ; U4Q.5@-70.175,-34.345 -70.175,-34.2 -70.15,-34.175 U4Q.5@-70.15,-34.54
OUTB_4R: 8R.+ U4R.5 | length 3.2
  Top w0.5: 8R.+@-49.75,-36.75 -49.155,-36.155 U4R.5@-49.155,-34.345 ; U4R.5@-49.175,-34.345 -49.175,-34.2 -49.15,-34.175 U4R.5@-49.15,-34.54
OUTB_4S: 8S.+ U4S.5 | length 2.7
  Top w0.5: 8S.+@-28.75,-36.75 -28.155,-36.155 U4S.5@-28.155,-34.345
OUTB_4T: 8T.+ U4T.5 | length 2.7
  Top w0.5: 8T.+@-7.75,-36.75 -7.155,-36.155 U4T.5@-7.155,-34.345
OUTB_4U: 8U.+ U4U.5 | length 2.7
  Top w0.5: 8U.+@13.25,-36.75 13.845,-36.155 U4U.5@13.845,-34.345
OUTB_4V: 8V.+ U4V.5 | length 2.7
  Top w0.5: 8V.+@34.25,-36.75 34.845,-36.155 U4V.5@34.845,-34.345
OUTB_4W: 8W.+ U4W.5 | length 2.8
  Top w0.5: 8W.+@55.25,-36.75 55.25,-35.14 55.85,-34.54 U4W.5@55.85,-34.175
OUTB_4X: 8X.+ U4X.5 | length 3
  Top w0.5: 8X.+@76.25,-36.75 76.845,-36.155 U4X.5@76.845,-34.345 ; U4X.5@76.85,-34.54 U4X.5@76.85,-34.175
OUTB_4Y: 8Y.+ U4Y.5 | length 3.2
  Top w0.5: 8Y.+@-70.75,-78.75 -70.155,-78.155 U4Y.5@-70.155,-76.345 ; U4Y.5@-70.175,-76.345 -70.175,-76.2 -70.15,-76.175 U4Y.5@-70.15,-76.54
OUTB_4Z: 8Z.+ U4Z.5 | length 3.2
  Top w0.5: 8Z.+@-49.75,-78.75 -49.155,-78.155 U4Z.5@-49.155,-76.345 ; U4Z.5@-49.175,-76.345 -49.175,-76.2 -49.15,-76.175 U4Z.5@-49.15,-76.54
SHCP: Header1.37 Header1.38 Header2.37 Header2.38 U5[.11 U5\.11 U5].11 U5^.11 U5_.11 U5`.11 U5A.11 U5B.11 U5C.11 U5D.11 U5E.11 U5F.11 U5G.11 U5H.11 U5I.11 U5J.11 U5K.11 U5L.11 U5M.11 U5N.11 U5O.11 U5P.11 U5Q.11 U5R.11 U5S.11 U5T.11 U5U.11 U5V.11 U5W.11 U5X.11 U5Y.11 U5Z.11 | length 776.4
  Top w0.5: v1(-71.65,-61.181) -71.645,-61.176 U5Y.11@-71.645,-60.006 ; v1(-71.65,-19.175) -71.645,-19.17 U5Q.11@-71.645,-18 ; v1(-71.65,22.819) -71.645,22.824 U5I.11@-71.645,23.994 ; v1(-71.65,64.825) -71.645,64.83 U5A.11@-71.645,66 ; v1(-50.65,-61.181) -50.645,-61.176 U5Z.11@-50.645,-60.006 ; v1(-50.65,-19.175) -50.645,-19.17 U5R.11@-50.645,-18 ; v1(-50.65,22.819) -50.645,22.824 U5J.11@-50.645,23.994 ; v1(-50.65,64.825) -50.645,64.83 U5B.11@-50.645,66 ; v1(-29.65,-61.181) -29.645,-61.176 U5[.11@-29.645,-60.006 ; v1(-29.65,-19.175) -29.645,-19.17 U5S.11@-29.645,-18 ; v1(-29.65,22.819) -29.645,22.824 U5K.11@-29.645,23.994 ; v1(-29.65,64.825) -29.645,64.83 U5C.11@-29.645,66 ; v1(-8.65,-61.181) -8.645,-61.176 U5\.11@-8.645,-60.006 ; v1(-8.65,-19.175) -8.645,-19.17 U5T.11@-8.645,-18 ; v1(-8.65,22.819) -8.645,22.824 U5L.11@-8.645,23.994 ; v1(-8.65,64.825) -8.645,64.83 U5D.11@-8.645,66 ; v5(9.075,-51.075) 9.35,-50.8 9.35,-48.55 10.335,-47.565 Header2.37@10.335,-44.894 10.335,-44.887 10.323,-44.875 10.323,-42.025 ; v5(9.075,32.925) 9.35,33.2 9.35,35.45 10.335,36.435 Header1.37@10.335,39.112 10.323,39.125 10.323,41.975 ; Header2.38@10.335,-39.1 10.323,-39.112 10.323,-42.025 ; Header1.38@10.335,44.9 10.323,44.888 10.323,41.975 ; v1(12.35,-61.181) 12.355,-61.176 U5].11@12.355,-60.006 ; v1(12.35,-19.175) 12.355,-19.17 U5U.11@12.355,-18 ; v1(12.35,22.819) 12.355,22.824 U5M.11@12.355,23.994 ; v1(12.35,64.825) 12.355,64.83 U5E.11@12.355,66 ; v5(21.615,-17.882) 21,-18.497 21,-39.025 17.973,-42.052 10.35,-42.052 10.323,-42.025 ; v5(21.615,66.118) 21,65.503 21,44.975 17.973,41.948 10.35,41.948 10.323,41.975 ; v1(33.35,-61.181) 33.355,-61.176 U5^.11@33.355,-60.006 ; v1(33.35,-19.175) 33.355,-19.17 U5V.11@33.355,-18 ; v1(33.35,22.819) 33.355,22.824 U5N.11@33.355,23.994 ; v1(33.35,64.825) 33.355,64.83 U5F.11@33.355,66 ; v1(54.35,-61.181) 54.355,-61.176 U5_.11@54.355,-60.006 ; v1(54.35,-19.175) 54.355,-19.17 U5W.11@54.355,-18 ; v1(54.35,22.819) 54.355,22.824 U5O.11@54.355,23.994 ; v1(54.35,64.825) 54.355,64.83 U5G.11@54.355,66 ; v1(75.35,-61.181) 75.355,-61.176 U5`.11@75.355,-60.006 ; v1(75.35,-19.175) 75.355,-19.17 U5X.11@75.355,-18 ; v1(75.35,22.819) 75.355,22.824 U5P.11@75.355,23.994 ; v1(75.35,64.825) 75.355,64.83 U5H.11@75.355,66
  Internal w0.3: v1(-71.65,-19.175) -71.65,-18.325 -71.275,-17.95 -71,-17.95 ; v1(-71.65,64.825) -71.554,64.921 -71.554,65.646 -71.15,66.05 ; -51.05,-17.95 -50.65,-18.35 v1(-50.65,-19.175) ; -51.05,66.05 -50.65,65.65 v1(-50.65,64.825) ; v1(-29.65,-19.175) -29.65,-18.55 -29.05,-17.95 ; v1(-29.65,64.825) -29.65,65.45 -29.05,66.05 ; -8.3,-18 -8.3,-17.95 ; -8.3,66 -8.3,66.05 ; 32.95,-17.95 33.45,-18.45 33.45,-19.075 v1(33.35,-19.175) ; 32.95,66.05 33.45,65.55 33.45,64.925 v1(33.35,64.825) ; 53.95,-17.95 54.45,-18.45 54.45,-19.075 v1(54.35,-19.175) v1@54.35,-19.3 ; 53.95,66.05 54.45,65.55 54.45,64.925 v1(54.35,64.825) v1@54.35,64.7 ; 74.95,-17.95 75.35,-18.35 v1(75.35,-19.175) ; 74.95,66.05 75.35,65.65 v1(75.35,64.825)
  Internal w0.5: v1(-71.65,-61.181) -71.65,-61.852 -71.272,-62.23 -50.624,-62.23 ; v1(-71.65,22.819) -71.65,22.148 -71.272,21.77 -50.624,21.77 ; -71.15,66.05 -51.05,66.05 -29.05,66.05 -9.05,66.05 -8.65,65.65 ; -71,-17.95 -51.05,-17.95 -29.05,-17.95 -9.05,-17.95 -8.65,-18.35 ; v1@-50.624,-61.207 -50.624,-62.23 ; v1@-50.624,22.793 -50.624,21.77 ; v1@-29.624,-61.207 -29.624,-62.23 ; v1@-29.624,22.793 -29.624,21.77 ; v1(-8.65,-19.175) -8.65,-18.35 ; v1(-8.65,64.825) -8.65,65.65 ; v1@-8.624,-61.207 -8.624,-62.23 ; v1@-8.624,22.793 -8.624,21.77 ; -8.3,-18 -8.65,-18.35 ; -8.3,-17.95 11.95,-17.95 12.35,-18.35 ; -8.3,66 -8.65,65.65 ; -8.3,66.05 11.95,66.05 12.35,65.65 ; v5(9.075,-51.075) 9.075,-51.825 11,-53.75 11,-58.7 12.35,-60.05 v1(12.35,-61.181) ; v5(9.075,32.925) 9.075,32.175 11,30.25 11,25.3 12.35,23.95 v1(12.35,22.819) ; v1(12.35,-19.175) 12.35,-18.35 ; v1(12.35,64.825) 12.35,65.65 ; v1@12.376,-61.207 12.376,-62.23 ; v1@12.376,22.793 12.376,21.77 ; v1(33.35,-61.181) 33.376,-61.207 33.376,-62.23 ; v1(33.35,22.819) 33.376,22.793 33.376,21.77 ; v1(54.35,-61.181) 54.356,-61.187 54.356,-62.23 ; v1(54.35,22.819) 54.356,22.813 54.356,21.77 ; 74.95,-17.95 53.95,-17.95 32.95,-17.95 12.7,-17.95 12.35,-18.3 12.35,-18.35 ; 74.95,66.05 53.95,66.05 32.95,66.05 12.7,66.05 12.35,65.7 12.35,65.65 ; v1(75.35,-61.181) 75.35,-61.71 74.83,-62.23 54.356,-62.23 ; v1(75.35,22.819) 75.35,22.29 74.83,21.77 54.356,21.77 ; -50.624,-62.23 -29.624,-62.23 ; -50.624,21.77 -29.624,21.77 ; -29.624,-62.23 -8.624,-62.23 ; -29.624,21.77 -8.624,21.77 ; -8.624,-62.23 12.376,-62.23 ; -8.624,21.77 12.376,21.77 ; 12.376,-62.23 33.376,-62.23 ; 12.376,21.77 33.376,21.77 ; 33.376,-62.23 54.356,-62.23 ; 33.376,21.77 54.356,21.77

## Text inside footprints (layer, text, board x,y; h text height)
2V: Top Overlay "+" at 41.525,-4.513 h1.5 r180; Bottom Overlay "+" at 41.525,-4.513 h1.5 r180
2W: Top Overlay "+" at 62.525,-4.513 h1.5 r180; Bottom Overlay "+" at 62.525,-4.513 h1.5 r180
2X: Top Overlay "+" at 83.525,-4.513 h1.5 r180; Bottom Overlay "+" at 83.525,-4.513 h1.5 r180
2Y: Top Overlay "+" at -63.475,-46.513 h1.5 r180; Bottom Overlay "+" at -63.475,-46.513 h1.5 r180
2Z: Top Overlay "+" at -42.475,-46.513 h1.5 r180; Bottom Overlay "+" at -42.475,-46.513 h1.5 r180
3#: Top Overlay "+" at 31.025,-57.013 h1.5 r180; Bottom Overlay "+" at 31.025,-57.013 h1.5 r180
3-: Top Overlay "+" at 73.025,-57.013 h1.5 r180; Bottom Overlay "+" at 73.025,-57.013 h1.5 r180
3[: Top Overlay "+" at -31.975,-57.013 h1.5 r180; Bottom Overlay "+" at -31.975,-57.013 h1.5 r180
3\: Top Overlay "+" at -10.975,-57.013 h1.5 r180; Bottom Overlay "+" at -10.975,-57.013 h1.5 r180
3]: Top Overlay "+" at 10.025,-57.013 h1.5 r180; Bottom Overlay "+" at 10.025,-57.013 h1.5 r180
3_: Top Overlay "+" at 52.025,-57.013 h1.5 r180; Bottom Overlay "+" at 52.025,-57.013 h1.5 r180
3A: Top Overlay "+" at -73.975,68.987 h1.5 r180; Bottom Overlay "+" at -73.975,68.987 h1.5 r180
3B: Top Overlay "+" at -52.975,68.987 h1.5 r180; Bottom Overlay "+" at -52.975,68.987 h1.5 r180
3C: Top Overlay "+" at -31.975,68.987 h1.5 r180; Bottom Overlay "+" at -31.975,68.987 h1.5 r180
3D: Top Overlay "+" at -10.975,68.987 h1.5 r180; Bottom Overlay "+" at -10.975,68.987 h1.5 r180
3E: Top Overlay "+" at 10.025,68.987 h1.5 r180; Bottom Overlay "+" at 10.025,68.987 h1.5 r180
3F: Top Overlay "+" at 31.025,68.987 h1.5 r180; Bottom Overlay "+" at 31.025,68.987 h1.5 r180
3G: Top Overlay "+" at 52.025,68.987 h1.5 r180; Bottom Overlay "+" at 52.025,68.987 h1.5 r180
3H: Top Overlay "+" at 73.025,68.987 h1.5 r180; Bottom Overlay "+" at 73.025,68.987 h1.5 r180
3I: Top Overlay "+" at -73.975,26.987 h1.5 r180; Bottom Overlay "+" at -73.975,26.987 h1.5 r180
3J: Top Overlay "+" at -52.975,26.987 h1.5 r180; Bottom Overlay "+" at -52.975,26.987 h1.5 r180
3K: Top Overlay "+" at -31.975,26.987 h1.5 r180; Bottom Overlay "+" at -31.975,26.987 h1.5 r180
3L: Top Overlay "+" at -10.975,26.987 h1.5 r180; Bottom Overlay "+" at -10.975,26.987 h1.5 r180
3M: Top Overlay "+" at 10.025,26.987 h1.5 r180; Bottom Overlay "+" at 10.025,26.987 h1.5 r180
3N: Top Overlay "+" at 31.025,26.987 h1.5 r180; Bottom Overlay "+" at 31.025,26.987 h1.5 r180
3O: Top Overlay "+" at 52.025,26.987 h1.5 r180; Bottom Overlay "+" at 52.025,26.987 h1.5 r180
3P: Top Overlay "+" at 73.025,26.987 h1.5 r180; Bottom Overlay "+" at 73.025,26.987 h1.5 r180
3Q: Top Overlay "+" at -73.975,-15.013 h1.5 r180; Bottom Overlay "+" at -73.975,-15.013 h1.5 r180
3R: Top Overlay "+" at -52.975,-15.013 h1.5 r180; Bottom Overlay "+" at -52.975,-15.013 h1.5 r180
3S: Top Overlay "+" at -31.975,-15.013 h1.5 r180; Bottom Overlay "+" at -31.975,-15.013 h1.5 r180
3T: Top Overlay "+" at -10.975,-15.013 h1.5 r180; Bottom Overlay "+" at -10.975,-15.013 h1.5 r180
3U: Top Overlay "+" at 10.025,-15.013 h1.5 r180; Bottom Overlay "+" at 10.025,-15.013 h1.5 r180
3V: Top Overlay "+" at 31.025,-15.013 h1.5 r180; Bottom Overlay "+" at 31.025,-15.013 h1.5 r180
3W: Top Overlay "+" at 52.025,-15.013 h1.5 r180; Bottom Overlay "+" at 52.025,-15.013 h1.5 r180
3X: Top Overlay "+" at 73.025,-15.013 h1.5 r180; Bottom Overlay "+" at 73.025,-15.013 h1.5 r180
3Y: Top Overlay "+" at -73.975,-57.013 h1.5 r180; Bottom Overlay "+" at -73.975,-57.013 h1.5 r180
3Z: Top Overlay "+" at -52.975,-57.013 h1.5 r180; Bottom Overlay "+" at -52.975,-57.013 h1.5 r180
4#: Top Overlay "+" at 41.525,-57.013 h1.5 r180; Bottom Overlay "+" at 41.525,-57.013 h1.5 r180
4-: Top Overlay "+" at 83.525,-57.013 h1.5 r180; Bottom Overlay "+" at 83.525,-57.013 h1.5 r180
4[: Top Overlay "+" at -21.475,-57.013 h1.5 r180; Bottom Overlay "+" at -21.475,-57.013 h1.5 r180
4\: Top Overlay "+" at -0.475,-57.013 h1.5 r180; Bottom Overlay "+" at -0.475,-57.013 h1.5 r180
4]: Top Overlay "+" at 20.525,-57.013 h1.5 r180; Bottom Overlay "+" at 20.525,-57.013 h1.5 r180
4_: Top Overlay "+" at 62.525,-57.013 h1.5 r180; Bottom Overlay "+" at 62.525,-57.013 h1.5 r180
4A: Top Overlay "+" at -63.475,68.987 h1.5 r180; Bottom Overlay "+" at -63.475,68.987 h1.5 r180
4B: Top Overlay "+" at -42.475,68.987 h1.5 r180; Bottom Overlay "+" at -42.475,68.987 h1.5 r180
4C: Top Overlay "+" at -21.475,68.987 h1.5 r180; Bottom Overlay "+" at -21.475,68.987 h1.5 r180
4D: Top Overlay "+" at -0.475,68.987 h1.5 r180; Bottom Overlay "+" at -0.475,68.987 h1.5 r180
4E: Top Overlay "+" at 20.525,68.987 h1.5 r180; Bottom Overlay "+" at 20.525,68.987 h1.5 r180
4F: Top Overlay "+" at 41.525,68.987 h1.5 r180; Bottom Overlay "+" at 41.525,68.987 h1.5 r180
4G: Top Overlay "+" at 62.525,68.987 h1.5 r180; Bottom Overlay "+" at 62.525,68.987 h1.5 r180
4H: Top Overlay "+" at 83.525,68.987 h1.5 r180; Bottom Overlay "+" at 83.525,68.987 h1.5 r180
4I: Top Overlay "+" at -63.475,26.987 h1.5 r180; Bottom Overlay "+" at -63.475,26.987 h1.5 r180
4J: Top Overlay "+" at -42.475,26.987 h1.5 r180; Bottom Overlay "+" at -42.475,26.987 h1.5 r180
4K: Top Overlay "+" at -21.475,26.987 h1.5 r180; Bottom Overlay "+" at -21.475,26.987 h1.5 r180
4L: Top Overlay "+" at -0.475,26.987 h1.5 r180; Bottom Overlay "+" at -0.475,26.987 h1.5 r180
4M: Top Overlay "+" at 20.525,26.987 h1.5 r180; Bottom Overlay "+" at 20.525,26.987 h1.5 r180
4N: Top Overlay "+" at 41.525,26.987 h1.5 r180; Bottom Overlay "+" at 41.525,26.987 h1.5 r180
4O: Top Overlay "+" at 62.525,26.987 h1.5 r180; Bottom Overlay "+" at 62.525,26.987 h1.5 r180
4P: Top Overlay "+" at 83.525,26.987 h1.5 r180; Bottom Overlay "+" at 83.525,26.987 h1.5 r180
4Q: Top Overlay "+" at -63.475,-15.013 h1.5 r180; Bottom Overlay "+" at -63.475,-15.013 h1.5 r180
4R: Top Overlay "+" at -42.475,-15.013 h1.5 r180; Bottom Overlay "+" at -42.475,-15.013 h1.5 r180
4S: Top Overlay "+" at -21.475,-15.013 h1.5 r180; Bottom Overlay "+" at -21.475,-15.013 h1.5 r180
4T: Top Overlay "+" at -0.475,-15.013 h1.5 r180; Bottom Overlay "+" at -0.475,-15.013 h1.5 r180
4U: Top Overlay "+" at 20.525,-15.013 h1.5 r180; Bottom Overlay "+" at 20.525,-15.013 h1.5 r180
4V: Top Overlay "+" at 41.525,-15.013 h1.5 r180; Bottom Overlay "+" at 41.525,-15.013 h1.5 r180
4W: Top Overlay "+" at 62.525,-15.013 h1.5 r180; Bottom Overlay "+" at 62.525,-15.013 h1.5 r180
4X: Top Overlay "+" at 83.525,-15.013 h1.5 r180; Bottom Overlay "+" at 83.525,-15.013 h1.5 r180
4Y: Top Overlay "+" at -63.475,-57.013 h1.5 r180; Bottom Overlay "+" at -63.475,-57.013 h1.5 r180
4Z: Top Overlay "+" at -42.475,-57.013 h1.5 r180; Bottom Overlay "+" at -42.475,-57.013 h1.5 r180
5#: Top Overlay "+" at 21.475,-68.987 h1.5; Bottom Overlay "+" at 21.475,-68.987 h1.5
5-: Top Overlay "+" at 63.475,-68.987 h1.5; Bottom Overlay "+" at 63.475,-68.987 h1.5
5[: Top Overlay "+" at -41.525,-68.987 h1.5; Bottom Overlay "+" at -41.525,-68.987 h1.5
5\: Top Overlay "+" at -20.525,-68.987 h1.5; Bottom Overlay "+" at -20.525,-68.987 h1.5
5]: Top Overlay "+" at 0.475,-68.987 h1.5; Bottom Overlay "+" at 0.475,-68.987 h1.5
5_: Top Overlay "+" at 42.475,-68.987 h1.5; Bottom Overlay "+" at 42.475,-68.987 h1.5
5A: Top Overlay "+" at -83.525,57.013 h1.5; Bottom Overlay "+" at -83.525,57.013 h1.5
5B: Top Overlay "+" at -62.525,57.013 h1.5; Bottom Overlay "+" at -62.525,57.013 h1.5
5C: Top Overlay "+" at -41.525,57.013 h1.5; Bottom Overlay "+" at -41.525,57.013 h1.5
5D: Top Overlay "+" at -20.525,57.013 h1.5; Bottom Overlay "+" at -20.525,57.013 h1.5
5E: Top Overlay "+" at 0.475,57.013 h1.5; Bottom Overlay "+" at 0.475,57.013 h1.5
5F: Top Overlay "+" at 21.475,57.013 h1.5; Bottom Overlay "+" at 21.475,57.013 h1.5
5G: Top Overlay "+" at 42.475,57.013 h1.5; Bottom Overlay "+" at 42.475,57.013 h1.5
5H: Top Overlay "+" at 63.475,57.013 h1.5; Bottom Overlay "+" at 63.475,57.013 h1.5
5I: Top Overlay "+" at -83.525,15.013 h1.5; Bottom Overlay "+" at -83.525,15.013 h1.5
5J: Top Overlay "+" at -62.525,15.013 h1.5; Bottom Overlay "+" at -62.525,15.013 h1.5
5K: Top Overlay "+" at -41.525,15.013 h1.5; Bottom Overlay "+" at -41.525,15.013 h1.5
5L: Top Overlay "+" at -20.525,15.013 h1.5; Bottom Overlay "+" at -20.525,15.013 h1.5
5M: Top Overlay "+" at 0.475,15.013 h1.5; Bottom Overlay "+" at 0.475,15.013 h1.5
5N: Top Overlay "+" at 21.475,15.013 h1.5; Bottom Overlay "+" at 21.475,15.013 h1.5
5O: Top Overlay "+" at 42.475,15.013 h1.5; Bottom Overlay "+" at 42.475,15.013 h1.5
5P: Top Overlay "+" at 63.475,15.013 h1.5; Bottom Overlay "+" at 63.475,15.013 h1.5
5Q: Top Overlay "+" at -83.525,-26.987 h1.5; Bottom Overlay "+" at -83.525,-26.987 h1.5
5R: Top Overlay "+" at -62.525,-26.987 h1.5; Bottom Overlay "+" at -62.525,-26.987 h1.5
5S: Top Overlay "+" at -41.525,-26.987 h1.5; Bottom Overlay "+" at -41.525,-26.987 h1.5
5T: Top Overlay "+" at -20.525,-26.987 h1.5; Bottom Overlay "+" at -20.525,-26.987 h1.5
5U: Top Overlay "+" at 0.475,-26.987 h1.5; Bottom Overlay "+" at 0.475,-26.987 h1.5
5V: Top Overlay "+" at 21.475,-26.987 h1.5; Bottom Overlay "+" at 21.475,-26.987 h1.5
5W: Top Overlay "+" at 42.475,-26.987 h1.5; Bottom Overlay "+" at 42.475,-26.987 h1.5
5X: Top Overlay "+" at 63.475,-26.987 h1.5; Bottom Overlay "+" at 63.475,-26.987 h1.5
5Y: Top Overlay "+" at -83.525,-68.987 h1.5; Bottom Overlay "+" at -83.525,-68.987 h1.5
5Z: Top Overlay "+" at -62.525,-68.987 h1.5; Bottom Overlay "+" at -62.525,-68.987 h1.5
6#: Top Overlay "+" at 31.975,-68.987 h1.5; Bottom Overlay "+" at 31.975,-68.987 h1.5
6-: Top Overlay "+" at 73.975,-68.987 h1.5; Bottom Overlay "+" at 73.975,-68.987 h1.5
6[: Top Overlay "+" at -31.025,-68.987 h1.5; Bottom Overlay "+" at -31.025,-68.987 h1.5
6\: Top Overlay "+" at -10.025,-68.987 h1.5; Bottom Overlay "+" at -10.025,-68.987 h1.5
6]: Top Overlay "+" at 10.975,-68.987 h1.5; Bottom Overlay "+" at 10.975,-68.987 h1.5
6_: Top Overlay "+" at 52.975,-68.987 h1.5; Bottom Overlay "+" at 52.975,-68.987 h1.5
6A: Top Overlay "+" at -73.025,57.013 h1.5; Bottom Overlay "+" at -73.025,57.013 h1.5
6B: Top Overlay "+" at -52.025,57.013 h1.5; Bottom Overlay "+" at -52.025,57.013 h1.5
6C: Top Overlay "+" at -31.025,57.013 h1.5; Bottom Overlay "+" at -31.025,57.013 h1.5
6D: Top Overlay "+" at -10.025,57.013 h1.5; Bottom Overlay "+" at -10.025,57.013 h1.5
6E: Top Overlay "+" at 10.975,57.013 h1.5; Bottom Overlay "+" at 10.975,57.013 h1.5
6F: Top Overlay "+" at 31.975,57.013 h1.5; Bottom Overlay "+" at 31.975,57.013 h1.5
6G: Top Overlay "+" at 52.975,57.013 h1.5; Bottom Overlay "+" at 52.975,57.013 h1.5
6H: Top Overlay "+" at 73.975,57.013 h1.5; Bottom Overlay "+" at 73.975,57.013 h1.5
6I: Top Overlay "+" at -73.025,15.013 h1.5; Bottom Overlay "+" at -73.025,15.013 h1.5
6J: Top Overlay "+" at -52.025,15.013 h1.5; Bottom Overlay "+" at -52.025,15.013 h1.5
6K: Top Overlay "+" at -31.025,15.013 h1.5; Bottom Overlay "+" at -31.025,15.013 h1.5
6L: Top Overlay "+" at -10.025,15.013 h1.5; Bottom Overlay "+" at -10.025,15.013 h1.5
6M: Top Overlay "+" at 10.975,15.013 h1.5; Bottom Overlay "+" at 10.975,15.013 h1.5
6N: Top Overlay "+" at 31.975,15.013 h1.5; Bottom Overlay "+" at 31.975,15.013 h1.5
6O: Top Overlay "+" at 52.975,15.013 h1.5; Bottom Overlay "+" at 52.975,15.013 h1.5
6P: Top Overlay "+" at 73.975,15.013 h1.5; Bottom Overlay "+" at 73.975,15.013 h1.5
6Q: Top Overlay "+" at -73.025,-26.987 h1.5; Bottom Overlay "+" at -73.025,-26.987 h1.5
6R: Top Overlay "+" at -52.025,-26.987 h1.5; Bottom Overlay "+" at -52.025,-26.987 h1.5
6S: Top Overlay "+" at -31.025,-26.987 h1.5; Bottom Overlay "+" at -31.025,-26.987 h1.5
6T: Top Overlay "+" at -10.025,-26.987 h1.5; Bottom Overlay "+" at -10.025,-26.987 h1.5
6U: Top Overlay "+" at 10.975,-26.987 h1.5; Bottom Overlay "+" at 10.975,-26.987 h1.5
6V: Top Overlay "+" at 31.975,-26.987 h1.5; Bottom Overlay "+" at 31.975,-26.987 h1.5
6W: Top Overlay "+" at 52.975,-26.987 h1.5; Bottom Overlay "+" at 52.975,-26.987 h1.5
6X: Top Overlay "+" at 73.975,-26.987 h1.5; Bottom Overlay "+" at 73.975,-26.987 h1.5
6Y: Top Overlay "+" at -73.025,-68.987 h1.5; Bottom Overlay "+" at -73.025,-68.987 h1.5
6Z: Top Overlay "+" at -52.025,-68.987 h1.5; Bottom Overlay "+" at -52.025,-68.987 h1.5
7#: Top Overlay "+" at 21.475,-79.487 h1.5; Bottom Overlay "+" at 21.475,-79.487 h1.5
7-: Top Overlay "+" at 63.475,-79.487 h1.5; Bottom Overlay "+" at 63.475,-79.487 h1.5
7[: Top Overlay "+" at -41.525,-79.487 h1.5; Bottom Overlay "+" at -41.525,-79.487 h1.5
7\: Top Overlay "+" at -20.525,-79.487 h1.5; Bottom Overlay "+" at -20.525,-79.487 h1.5
7]: Top Overlay "+" at 0.475,-79.487 h1.5; Bottom Overlay "+" at 0.475,-79.487 h1.5
7_: Top Overlay "+" at 42.475,-79.487 h1.5; Bottom Overlay "+" at 42.475,-79.487 h1.5
7A: Top Overlay "+" at -83.525,46.513 h1.5; Bottom Overlay "+" at -83.525,46.513 h1.5
7B: Top Overlay "+" at -62.525,46.513 h1.5; Bottom Overlay "+" at -62.525,46.513 h1.5
7C: Top Overlay "+" at -41.525,46.513 h1.5; Bottom Overlay "+" at -41.525,46.513 h1.5
7D: Top Overlay "+" at -20.525,46.513 h1.5; Bottom Overlay "+" at -20.525,46.513 h1.5
7E: Top Overlay "+" at 0.475,46.513 h1.5; Bottom Overlay "+" at 0.475,46.513 h1.5
7F: Top Overlay "+" at 21.475,46.513 h1.5; Bottom Overlay "+" at 21.475,46.513 h1.5
7G: Top Overlay "+" at 42.475,46.513 h1.5; Bottom Overlay "+" at 42.475,46.513 h1.5
7H: Top Overlay "+" at 63.475,46.513 h1.5; Bottom Overlay "+" at 63.475,46.513 h1.5
7I: Top Overlay "+" at -83.525,4.513 h1.5; Bottom Overlay "+" at -83.525,4.513 h1.5
7J: Top Overlay "+" at -62.525,4.513 h1.5; Bottom Overlay "+" at -62.525,4.513 h1.5
7K: Top Overlay "+" at -41.525,4.513 h1.5; Bottom Overlay "+" at -41.525,4.513 h1.5
7L: Top Overlay "+" at -20.525,4.513 h1.5; Bottom Overlay "+" at -20.525,4.513 h1.5
7M: Top Overlay "+" at 0.475,4.513 h1.5; Bottom Overlay "+" at 0.475,4.513 h1.5
7N: Top Overlay "+" at 21.475,4.513 h1.5; Bottom Overlay "+" at 21.475,4.513 h1.5
7O: Top Overlay "+" at 42.475,4.513 h1.5; Bottom Overlay "+" at 42.475,4.513 h1.5
7P: Top Overlay "+" at 63.475,4.513 h1.5; Bottom Overlay "+" at 63.475,4.513 h1.5
7Q: Top Overlay "+" at -83.525,-37.487 h1.5; Bottom Overlay "+" at -83.525,-37.487 h1.5
7R: Top Overlay "+" at -62.525,-37.487 h1.5; Bottom Overlay "+" at -62.525,-37.487 h1.5
7S: Top Overlay "+" at -41.525,-37.487 h1.5; Bottom Overlay "+" at -41.525,-37.487 h1.5
7T: Top Overlay "+" at -20.525,-37.487 h1.5; Bottom Overlay "+" at -20.525,-37.487 h1.5
7U: Top Overlay "+" at 0.475,-37.487 h1.5; Bottom Overlay "+" at 0.475,-37.487 h1.5
7V: Top Overlay "+" at 21.475,-37.487 h1.5; Bottom Overlay "+" at 21.475,-37.487 h1.5
7W: Top Overlay "+" at 42.475,-37.487 h1.5; Bottom Overlay "+" at 42.475,-37.487 h1.5
7X: Top Overlay "+" at 63.475,-37.487 h1.5; Bottom Overlay "+" at 63.475,-37.487 h1.5
7Y: Top Overlay "+" at -83.525,-79.487 h1.5; Bottom Overlay "+" at -83.525,-79.487 h1.5
7Z: Top Overlay "+" at -62.525,-79.487 h1.5; Bottom Overlay "+" at -62.525,-79.487 h1.5
8#: Top Overlay "+" at 31.975,-79.487 h1.5; Bottom Overlay "+" at 31.975,-79.487 h1.5
8-: Top Overlay "+" at 73.975,-79.487 h1.5; Bottom Overlay "+" at 73.975,-79.487 h1.5